# Altium PCB UVM AERO BSPD.PcbDoc (part 1 of 2) (continued)
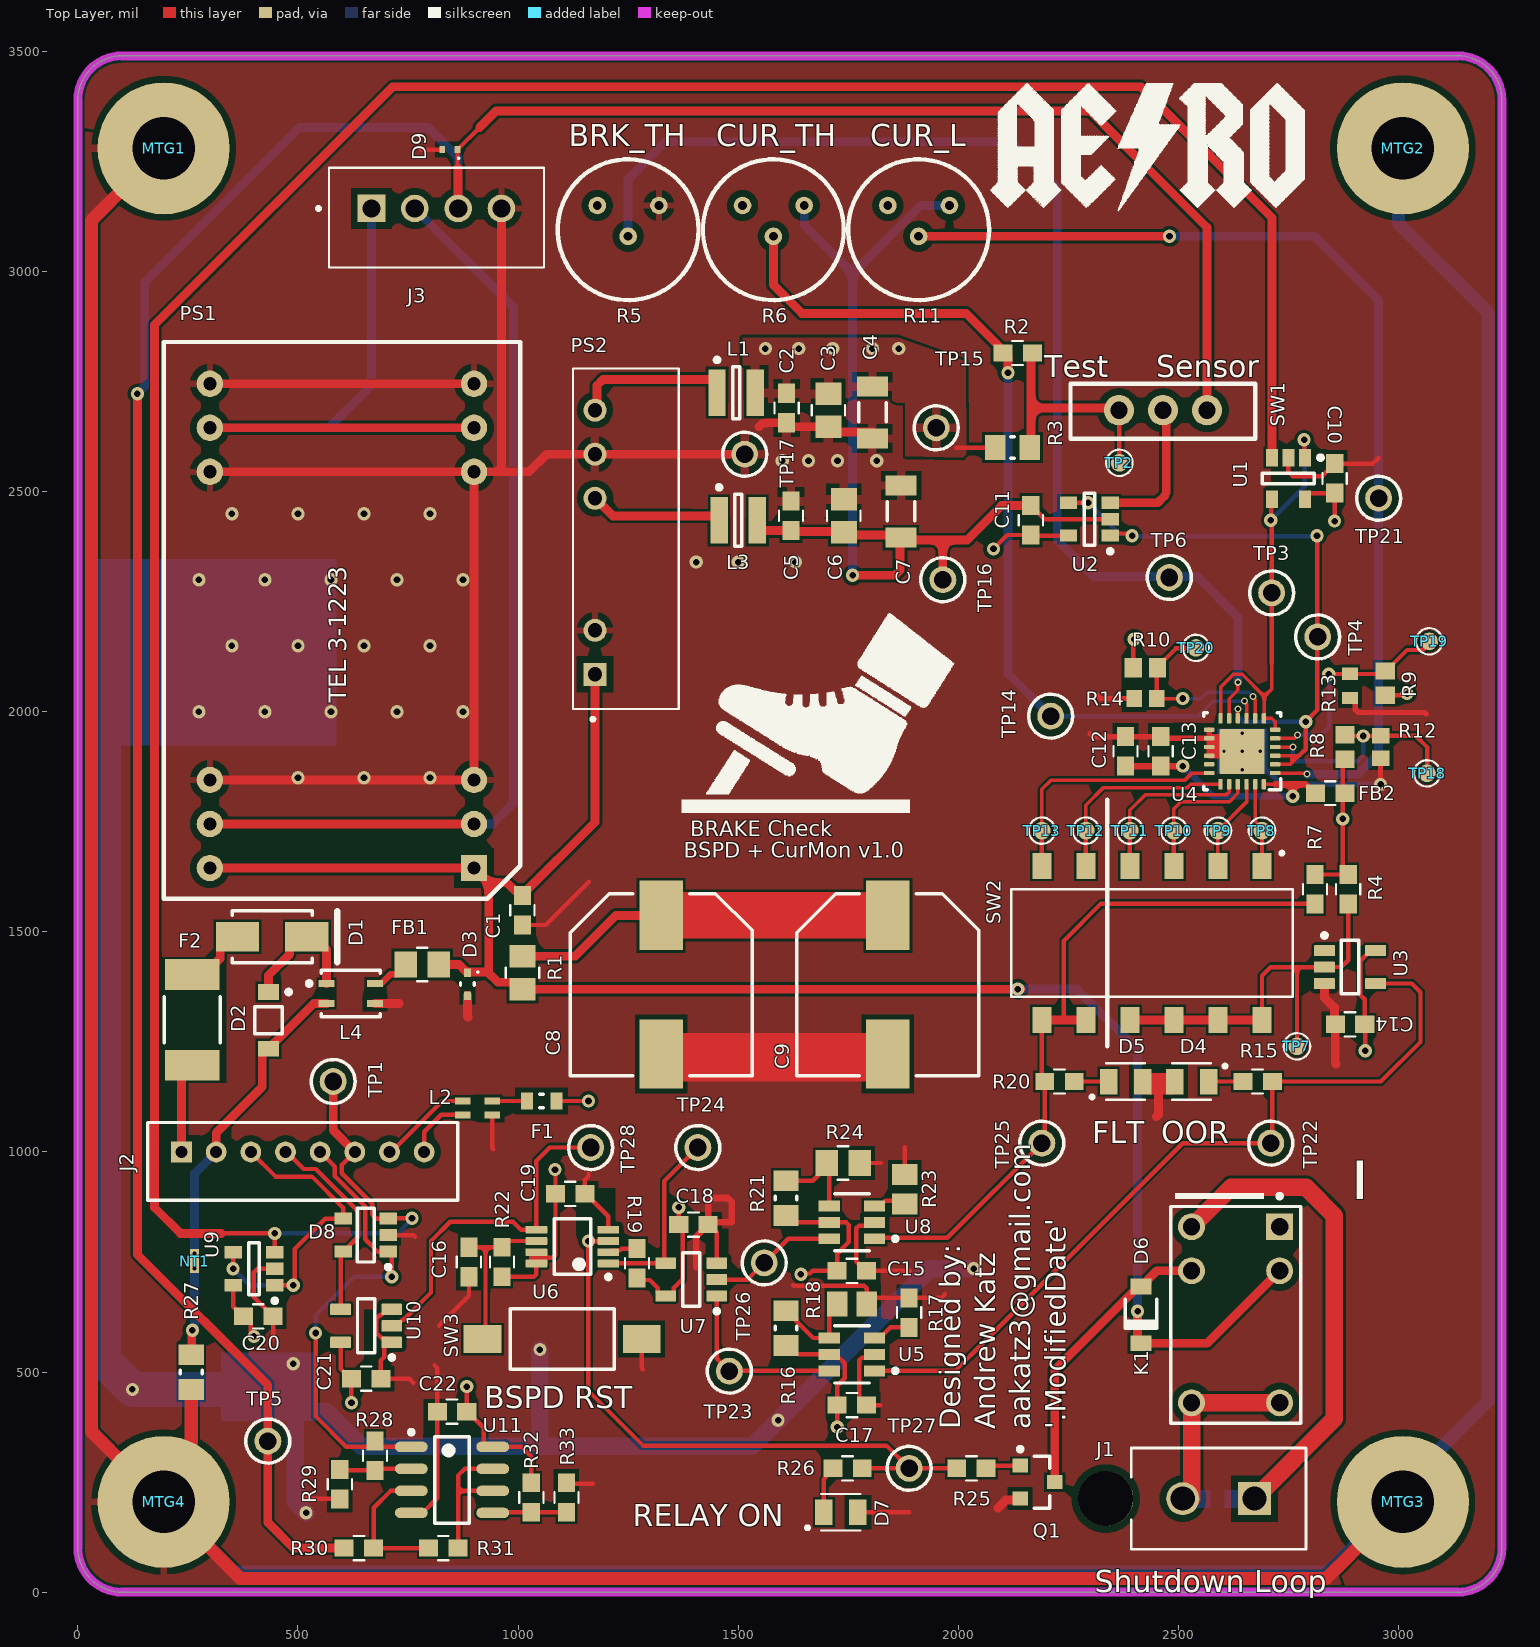
[diagram p0: Top Layer view]
## Components (designator, comment, footprint, x,y, rotation, side; value= is the part's Value field where it differs from the comment) (continued)
TP22 "5119" KSTN-5119 2710,1020 r0 top
TP23 "5118" KSTN-5118 1480,502.17 r0 top
TP24 "5003" KSTN-5003 1408.46,1010 r0 top
TP25 "5119" KSTN-5119 2190,1020 r0 top
TP26 "5118" KSTN-5118 1559.25,748 r0 top
TP27 "5117" KSTN-5117 1888.5,281.3 r0 top
TP28 "5117" KSTN-5117 1164.8,1010 r0 top
U1 "NCS2003SN2T1G" ONSC-TSOP-5-483-02_V 2750,2530 r270 top
U2 "NCS2003SN2T1G" ONSC-TSOP-5-483-02_V 2297.76,2437.4 r180 top
U3 "SN74LVC1G04DBVR" DBV0005A_M 2890,1420 r0 top
U4 "LMV7231SQE/NOPB" RTW0024A_V 2645,1910 r180 top
U5 "LTC6994CS6-1#TRMPBF" Linear_Technologies_LTC6994CS6-1#TRMPBF_0 1758.46,540 r180 top value=SKIP
U6 "SN74LVC2G74DCTR" DCT0008A_M 1123.46,785 r180 top
U7 "SN74AHCT1G32DBVR" DBV0005A_M 1393.46,710 r180 top
U8 "LTC6994CS6-1#TRMPBF" Linear_Technologies_LTC6994CS6-1#TRMPBF_0 1758.46,840 r180 top value=SKIP
U9 "NCS2003SN2T1G" ONSC-TSOP-5-483-02_V 400,734.72 r180 top
U10 "SN74LV1T125DBVR" DBV0005A_M 655,605 r180 top
U11 "MCP6002T-I/SN" SOIC-SN8_L 850,255 r0 top

## Footprints (in the part's own frame and the unit in brackets; to place one, negate y for a bottom-side part, rotate by r counter-clockwise, add the part's x,y. Pads: shape width x height; smd on the part's side, far side on the other; paste and mask are expansions set on the pad)
20MIL_TIE [mil]
  rect 20x20 hole 9 paste-100 mask-100: 1(0,0)
  rect 40x20 hole 9 copper offset -10,0 paste-100 mask-100: 2(35,0)
0603 [mil] "Body 1.6 x 0.8 mm (LxW typ)"
  rect 43x39 smd: 1(-33.5,0) 2(33.5,0)
  silkscreen extent -12,-27 12,27, body extent -34,-19 34,19, height 38
0603_CAP [mm]
  rect 1.1x1 smd: 1(-0.85,0) 2(0.85,0)
  silkscreen extent -0.3,-0.7 0.3,0.7, body extent -0.8,-0.43 0.8,0.43, height 0.95
0603_RES [mil]
  rect 43x39 smd: 1(-33.46,0) 2(33.46,0)
  silkscreen extent -12,-28 12,28, body extent -32,-19 32,19, height 34
0805 [mm] "Body 2.0 x 1.2 mm (LxW typ)"
  rect 1.3x1.5 smd: 1(-0.95,0) 2(0.95,0)
  silkscreen extent -0.3,-0.97 0.3,0.97, body extent -1.15,-0.72 1.15,0.72, height 1.1
0805_CAP [mm]
  rect 1.3x1.5 smd: 1(-0.95,0) 2(0.95,0)
  silkscreen extent -0.3,-0.97 0.3,0.97, body extent -1,-0.65 1,0.66, height 1.52
0805_RES [mm]
  rect 1.3x1.5 smd: 1(-0.95,0) 2(0.95,0)
  silkscreen extent -0.3,-0.97 0.3,0.97, body extent -1.09,-0.7 1.09,0.7, height 1.1
3339H-1-103LF [mil]
  round 40 hole 20 paste-10000: 1(0,0) 2(70,-70) 3(140,0)
  silkscreen extent -90,-215 230,105, body extent -80,-205 220,95, height 251
*SW_DS04-254-2-06BK-SMT-TR [mm]
  rect 1.5x1.1 smd: 1(-4.45,6.35) 2(-4.45,3.81) 3(-4.45,1.27) 4(-4.45,-1.27) 5(-4.45,-3.81) 6(-4.45,-6.35) 7(4.45,-6.35) 8(4.45,-3.81) 9(4.45,-1.27) 10(4.45,1.27) 11(4.45,3.81) 12(4.45,6.35)
  silkscreen extent -5.28,-8.12 3.1,8.12, body extent -4.95,-8.12 4.95,8.12, height 3.96
B4B-XH-A(LF)(SN) [mm]
  rect 1.59x1.59 hole 1.06 paste-25.4: 1(0,0)
  round 1.59 hole 1.06 paste-25.4: 2(2.5,0) 3(5,0) 4(7.5,0)
  silkscreen extent -3.16,-3.4 9.95,2.35, body extent -2.45,-3.4 9.95,2.35, height 7
B8B-PH-K [mm]
  rect 1.2x1.2 hole 0.7 paste-1000: 1(7,-0.55)
  round 1.2 hole 0.7 paste-1000: 2(5,-0.55) 3(3,-0.55) 4(1,-0.55) 5(-1,-0.55) 6(-3,-0.55) 7(-5,-0.55) 8(-7,-0.55)
  silkscreen extent -8.95,-2.25 8.95,2.25, body extent -8.95,-2.25 8.95,2.25, height 6
CAPC1206(3216)190_N [mm] "Chip Capacitor, Body 3.2x1.6mm, Height 1.9mm, IPC Medium Density"
  rect 1.15x1.8 smd: 1(-1.5,0) 2(1.5,0)
  silkscreen extent -0.55,-0.8 0.55,0.8, body extent -1.7,-0.9 1.7,0.9, height 1.9
CL-SA-12C-02 [mm]
  round 1.75 hole 1 paste-2.54: 1(-2.54,0) 2(0,0) 3(2.54,0)
  silkscreen extent -5.33,-1.65 5.33,1.52, body extent -5,-1.27 5,1.27, height 6.4
CON2_1X2_P163_VM_ALT [mil]
  rect 75x75 hole 55: 1(0,0)
  round 75 hole 55: 2(162.99,0)
  round 125 hole 125 unplated mask+4: 3(338,0)
  Bottom Layer region: 142.63,21 99.63,21 99.63,-20 142.63,-20
  Bottom Layer region: 68.63,21 33.63,21 33.63,-20 68.63,-20
  silkscreen extent -117,-115 280,115, body extent -159,-140 380,110, height 566
DBV0005A_M [mm] "SOT23, 5-Leads, Body 3.05x1.75mm, Pitch 0.95mm, IPC Low Density"
  rrect15% 1.2x0.65 smd: 1(-1.475,0.95) 2(-1.475,0) 3(-1.475,-0.95) 4(1.475,-0.95) 5(1.475,0.95)
  silkscreen extent -1.6,-1.55 0.5,1.95, body extent -1.42,-1.46 1.42,1.46, height 1.08
DCT0008A_M [mm] "SOP, 8-Leads, Body 2.9x3.2mm, Pitch 0.65mm, IPC Low Density"
  rrect22% 1.25x0.45 smd: 1(-2.075,0.975) 2(-2.075,0.325) 3(-2.075,-0.325) 4(-2.075,-0.975) 5(2.075,-0.975) 6(2.075,-0.325) 7(2.075,0.325) 8(2.075,0.975)
  silkscreen extent -2.2,-1.6 1.05,1.87, body extent -2.01,-1.47 2.01,1.48, height 1.3
DIOD-SMA-2_V [mm] "Molded Diode, 2-Leads, Body 4.6x2.92mm"
  rect 2.5x1.7 smd: 1(-2,0) 2(2,0)
  silkscreen extent -2.3,-1.5 3.75,1.5, body extent -2.52,-1.46 2.52,1.46, height 2.4
DIOD-SOT23-3_V [mm] "SOT23, 3-Leads, Body 3x1.4mm, Pitch 0.95mm"
  rect 0.9x0.8 smd: 1(-1,0.95) 2(-1,-0.95) 3(1,0)
  silkscreen extent -1.12,-1.5 0.7,2.02, body extent -1.25,-1.5 1.25,1.5, height 1.1
KSTN-5000 [mm] "Test Point, Through Hole, Dia 2.54mm"
  round 1.55 hole 1.016: 1(0,0)
  silkscreen extent -1.27,-1.27 1.27,1.27, body extent -1.25,-1.25 1.25,1.25, height 4.62
KSTN-5001 [mm] "Test Point, Through Hole, Dia 2.54mm"
  round 1.55 hole 1.016: 1(0,0)
  silkscreen extent -1.27,-1.27 1.27,1.27, body extent -1.25,-1.25 1.25,1.25, height 4.62
KSTN-5002 [mm] "Test Point, Through Hole, Dia 2.54mm"
  round 1.55 hole 1.016: 1(0,0)
  silkscreen extent -1.27,-1.27 1.27,1.27, body extent -1.24,-1.24 1.25,1.25, height 4.62
KSTN-5003 [mm] "Test Point, Through Hole, Dia 2.54mm"
  round 1.55 hole 1.016: 1(0,0)
  silkscreen extent -1.27,-1.27 1.27,1.27, body extent -1.25,-1.25 1.25,1.25, height 4.62
KSTN-5004 [mm] "Test Point, Through Hole, Dia 2.54mm"
  round 1.55 hole 1.016: 1(0,0)
  silkscreen extent -1.27,-1.27 1.27,1.27, body extent -1.25,-1.25 1.25,1.25, height 4.62
KSTN-5115 [mm] "Test Point, Through Hole, Dia 2.54mm"
  round 1.55 hole 1.016: 1(0,0)
  silkscreen extent -1.27,-1.27 1.27,1.27, body extent -1.25,-1.25 1.25,1.25, height 4.62
KSTN-5116 [mm] "Test Point, Through Hole, Dia 2.54mm"
  round 1.55 hole 1.016: 1(0,0)
  silkscreen extent -1.27,-1.27 1.27,1.27, body extent -1.25,-1.25 1.25,1.25, height 4.62
KSTN-5117 [mm] "Test Point, Through Hole, Dia 2.54mm"
  round 1.55 hole 1.016: 1(0,0)
  silkscreen extent -1.27,-1.27 1.27,1.27, body extent -1.25,-1.25 1.25,1.25, height 4.62
KSTN-5118 [mm] "Test Point, Through Hole, Dia 2.54mm"
  round 1.55 hole 1.016: 1(0,0)
  silkscreen extent -1.27,-1.27 1.27,1.27, body extent -1.25,-1.25 1.25,1.25, height 4.62
KSTN-5119 [mm] "Test Point, Through Hole, Dia 2.54mm"
  round 1.55 hole 1.016: 1(0,0)
  silkscreen extent -1.27,-1.27 1.27,1.27, body extent -1.25,-1.25 1.25,1.25, height 4.62
LEDC2012X135N_SM0805GCL(Primary) [mm]
  rect 1.01x1.47 smd: A(-0.98,0) C(0.98,0)
  silkscreen extent -2.03,-1.05 1.13,1.05, body extent -1,-0.62 1,0.62, height 1.12
LEDC2012X135N_SM0805HCL(Primary) [mm]
  rect 1.01x1.47 smd: A(-0.98,0) C(0.98,0)
  silkscreen extent -2.03,-1.05 1.13,1.05, body extent -1,-0.62 1,0.62, height 1.12
LFUS-1812L05030PR [mm] "SMD, 2-Leads, Body 4.55x3.24mm"
  rect 1.78x3.15 smd: 1(-2.615,0) 2(2.615,0)
  silkscreen extent -1.33,-1.62 1.33,1.62, body extent -2.27,-1.62 2.28,1.62, height 1.25
Linear_Technologies_LTC6994CS6-1#TRMPBF_0 [mm]
  rect 1.22x0.62 smd: 1(-1.31,0.95) 2(-1.31,0) 3(-1.31,-0.95) 4(1.31,-0.95) 5(1.31,0) 6(1.31,0.95)
  silkscreen extent -2.63,-1.65 1,1.65, body extent -1.41,-1.44 1.41,1.46, height 0.96
MCC-SOD123_V [mil] "SOD123, 2-Leads, Body 2.7x1.6mm, Height 1.35mm"
  rect 35.98x47.99 smd: 1(-64.5,0) 2(64.5,0)
  silkscreen extent -36,-35 31,35, body extent -53,-31 53,31, height 53
MF-FSMF [mm] "MF-FSMF Series - PTC Resettable Fuse"
  rect 0.7x1 smd: 1(-0.85,0) 2(0.85,0)
  Top Layer pour cut-out: -1.55,0.8 1.55,0.8 1.55,-0.8 -1.55,-0.8
  Bottom Layer pour cut-out: -1.55,0.8 1.55,0.8 1.55,-0.8 -1.55,-0.8
  silkscreen extent -0.1,-0.4 0.1,0.4, body extent -0.82,-0.42 0.83,0.43, height 0.48
MTG-M3 [mil]
  round 300 hole 142: 1(0,0)
NIC-CAPA2-10X10_V [mm] "Aluminum Electrolytic Capacitor, Diameter 10mm, Height 10.8mm, Pitch 8mm"
  rect 4x2.5 smd: 1(-4,0) 2(4,0)
  silkscreen extent -5.25,-5.25 5.25,5.25, body extent -5.45,-5.15 5.45,5.15, height 9.95
NMV0505SC [mm]
  rect 1.328x1.328 hole 0.82: 1(0,0)
  round 1.328 hole 0.82: 2(2.54,0) 5(10.16,0) 6(12.7,0) 7(15.24,0)
  silkscreen extent -2.69,-4.83 17.65,1.27, body extent -1.88,-4.77 17.62,1.25, height 10.04
Omron_G5V-1-DC12_MFG [mm]
  rect 1.55x1.55 hole 1: 1(-5.08,2.54)
  round 1.55 hole 1: 2(-2.54,2.54) 5(5.08,2.54) 6(5.08,-2.54) 9(-2.54,-2.54) 10(-5.08,-2.54)
  silkscreen extent -7.04,-3.75 6.25,3.75, body extent -6.15,-3.65 6.15,3.65, height 10
ONSC-SOD-123-2-425-04_V [mm] "SOD, 2-Leads, Body 2.69x1.6mm"
  rect 0.91x1.22 smd: 1(-1.635,0) 2(1.635,0)
  silkscreen extent -1.76,-0.8 0.78,1.29, body extent -1.35,-0.8 1.35,0.8, height 1.35
ONSC-SOD-523-2-502-01_V [mm] "SOD, 2-Leads, Body 1.2x0.8mm"
  rect 0.48x0.4 smd: 1(-0.66,0) 2(0.66,0)
  silkscreen extent -0.75,-0.4 0.07,0.65, body extent -0.8,-0.45 0.8,0.45, height 0.7
ONSC-TSOP-5-483-02_V [mm] "SOP, 5-Leads, Body 3x1.5mm, Pitch 0.95mm"
  rect 1x0.7 smd: 1(-1.2,0.95) 2(-1.2,0) 3(-1.2,-0.95) 4(1.2,-0.95) 5(1.2,0.95)
  silkscreen extent -1.32,-1.5 0.3,1.98, body extent -0.75,-1.5 0.75,1.5, height 1.1
RESC1608X50X30ML20T20 [mm] "Chip Resistor, 2-Leads, Body 1.60x0.80mm, IPC Low Density"
  rect 1x1.1 smd: 1(-0.7,0) 2(0.7,0)
  body extent -0.9,-0.5 0.9,0.5, height 0.5
RESC1608X50X30NL20T20 [mm] "Chip Resistor, 2-Leads, Body 1.60x0.80mm, IPC Medium Density"
  rect 0.9x1 smd: 1(-0.65,0) 2(0.65,0)
  body extent -0.9,-0.5 0.9,0.5, height 0.5
RESC1608X55X25NL10T15 [mm] "Chip Resistor, 2-Leads, Body 1.60x0.80mm, IPC Medium Density"
  rect 0.7x0.9 smd: 1(-0.7,0) 2(0.7,0)
  body extent -0.85,-0.45 0.85,0.45, height 0.55
RESC2013X60X35ML10T20 [mm] "Chip Resistor, 2-Leads, Body 2.00x1.25mm, IPC Low Density"
  rect 1.2x1.45 smd: 1(-1,0) 2(1,0)
  silkscreen extent -0.1,-0.63 0.1,0.63, body extent -1.05,-0.67 1.05,0.67, height 0.6
RESC2013X60X40NL20T25 [mm] "Chip Resistor, 2-Leads, Body 2.00x1.25mm, IPC Medium Density"
  rect 1.2x1.45 smd: 1(-0.85,0) 2(0.85,0)
  body extent -1.1,-0.72 1.1,0.72, height 0.6
RTW0024A_V [mm] "QFN, 24-Leads, Body 4x4mm, Pitch 0.5mm, Thermal Pad 2.6x2.6mm, TI Recommended"
  rrect40% 0.6x0.25 smd: 1(-1.9,1.25) 2(-1.9,0.75) 3(-1.9,0.25) 4(-1.9,-0.25) 5(-1.9,-0.75) 6(-1.9,-1.25) 13(1.9,-1.25) 14(1.9,-0.75) 15(1.9,-0.25) 16(1.9,0.25) 17(1.9,0.75) 18(1.9,1.25)
  rrect40% 0.25x0.6 smd: 7(-1.25,-1.9) 8(-0.75,-1.9) 9(-0.25,-1.9) 10(0.25,-1.9) 11(0.75,-1.9) 12(1.25,-1.9) 19(1.25,1.9) 20(0.75,1.9) 21(0.25,1.9) 22(-0.25,1.9) 23(-0.75,1.9) 24(-1.25,1.9)
  rrect4% 2.6x2.6 smd paste-1.3: 25(0,0)
  silkscreen extent -2.22,-2.22 2.22,2.22, body extent -2,-2 2,2, height 0.8
SOD923 [mm] "SOD923 - 1-AH1A"
  rect 0.325x0.4 smd: 1(-0.437,0) 2(0.437,0)
  silkscreen extent -0.55,0.45 -0.45,0.55, body extent -0.5,-0.33 0.5,0.33, height 0.45
SOIC-SN8_L [mm] "SOIC, 8-Leads, Body 4.9x3.9mm, Pitch 1.27mm, IPC High Density"
  oval 1.9x0.6 smd: 1(-2.35,1.905) 2(-2.35,0.635) 3(-2.35,-0.635) 4(-2.35,-1.905) 5(2.35,-1.905) 6(2.35,-0.635) 7(2.35,0.635) 8(2.35,1.905)
  silkscreen extent -2.47,-2.5 1,2.88, body extent -2,-2.5 2,2.5, height 1.75
SOT23127P600-8N [mm] "JEDEC MO-178"
  rect 0.99x0.69 smd: 1(-1.295,0.95) 2(-1.295,0) 3(-1.295,-0.95) 4(1.295,-0.95) 5(1.295,0.95)
  silkscreen extent -1.42,-1.55 0.5,1.97, body extent -0.88,-1.52 0.87,1.53, height 1.45
SRN3015-2_V [mm] "SMD, 2-Leads, Body 3x3mm, Height 1.5mm"
  rect 1x2.7 smd: 1(-1.1,0) 2(1.1,0)
  silkscreen extent -1.22,-1.5 0.2,2.02, body extent -1.5,-1.5 1.5,1.5, height 1.5
TDK-ACP3225-102-2P-T000-4_V [mm] "SMD, 4-Leads, Body 3.4x2.7mm"
  rect 0.9x0.4 smd: 1(-1.4,0.575) 2(-1.4,-0.575) 3(1.4,-0.575) 4(1.4,0.575)
  silkscreen extent -2.52,-1.35 1.7,1.35, body extent -1.6,-1.26 1.6,1.24, height 1.92
TECO-FSMSMTR_V [mm] "SMD, 2-Leads, Body 6x3.5mm, Pitch 9.19mm"
  rect 2.2x1.6 smd: 1(-4.595,0)
  rect 2.18x1.6 smd: 2(4.595,0)
  silkscreen extent -3,-1.75 3,1.75, body extent -4.98,-1.75 4.98,1.75, height 4.4
"TEL 3-1223" [mil]
  rect 60x60 hole 30: 1(0,-600)
  round 60 hole 30: 2(100,-600) 3(200,-600) 10(900,-600) 11(1000,-600) 12(1100,-600) 13(1100,0) 14(1000,0) 15(900,0) 22(200,0) 23(100,0) 24(0,0)
  silkscreen extent -70,-705 1195,105, body extent -60,-697 1188,98, height 402
TP_40mil [mil]
  round 40 smd paste-100: 1(0,0)
  silkscreen extent -30,-30 30,30
WE-CNSW-0805 [mm] "SMD Inductor, 4-Leads, Body 1.4 x 2.2 mm"
  rect 0.9x0.4 smd: 1(-0.85,0.4) 2(0.85,0.4) 3(0.85,-0.4) 4(-0.85,-0.4)
  body extent -1,-0.6 1,0.6, height 1.18

## Part data
C1 C13 C15 C17: "Capacitor Surface Mount 0603 Footprint 10UF 25V 20% Tolerance Ceramic X5R", Manufacturer=Various, PCB Package=0603, Tolerance=20%, Voltage=25V, ComponentLink1Description="Manufacturer Website", ComponentLink2Description="Component Datasheet", ComponentLink3Description="Octopart Link", Description in Visual="Cap SMT 0603 10UF 25V 20% Ceramic X5R", Manufacturer P/N=Various, P/N="CAP 0603 10UF 25V 20% X5R", Type="Ceramic X5R", Val=10UF, Vol=25V
C2 C5: "Capacitor Surface Mount 0603 Footprint 1UF 50V 10% Tolerance Ceramic X7R", Manufacturer=Various, PCB Package=0603, Tolerance=10%, Voltage=50V, ComponentLink1Description="Manufacturer Website", ComponentLink2Description="Component Datasheet", ComponentLink3Description="Octopart Link", Description in Visual="Cap SMT 0603 1UF 50V 10% Ceramic X7R", Manufacturer P/N=Various, P/N="CAP 0603 1UF 50V 10% X7R", Type="Ceramic X7R", Val=1UF, Vol=50V
C3 C6: "Capacitor Surface Mount 0805 Footprint 4.7UF 35V 10% Tolerance Ceramic X7R", Manufacturer=Various, PCB Package=0805, Tolerance=10%, Voltage=35V, ComponentLink1Description="Manufacturer Website", ComponentLink2Description="Component Datasheet", ComponentLink3Description="Octopart Link", Description in Visual="Cap SMT 0805 4.7UF 35V 10%  Cer X7R", Manufacturer P/N=Various, P/N="CAP 0805 4.7UF 35V 10% X7R", Type="Ceramic X7R", Val=4.7UF, Vol=35V
C4 C7: library part CMP-1037-05002-1, "CAP 47uF 10V ±20% 1206 (3216 Metric) Thickness 1.9mm SMD", Case-EIA=1206, Case-Metric=3216, Rated Voltage="10 V", Tolerance=Â±20%, Max Thickness="1.9 mm", Technology=SMT
C8 C9: "Aluminum Electrolytic Capacitor, UD Series, Low Impedance, 330 uF, 35 V, + / - 20%, -55 to 105 degC, Chip Type, 10 x 10 mm D x L, Pb-Free, Reel", Manufacturer=Nichicon, Rated Capacitance="330 uF", Rated Ripple Current (at 100kHz)="670 mA", Rated Voltage="35 V", Supplier Part Number 1=493-2293-1-ND, Tolerance Rated Capacitance="-20 to 20%", ComponentLink1Description="Manufacturer URL", ComponentLink1URL=http://www.nichicon.co.jp/, ComponentLink2Description=Datasheet, ComponentLink2URL=http://products.nichicon.co.jp/en/pdf/XJA043/e-ud.pdf, ComponentLink3Description="Package Specification", ComponentLink3URL=http://products.nichicon.co.jp/en/pdf/XJA043/e-ud.pdf, DatasheetVersion=08/2012, Diameter="10 mm", Endurance Time="5000 h", Impedance="0.09 Ohm", Length="10 mm", Manufacturer 1=Nichicon, Manufacturer Part Number 1=UUD1V331MNL1GS, Mounting Technology="Surface Mount", PackageDescription="2-Pin Surface Mount Device, Diameter 10 mm, Height 10 mm, Pitch 8 mm", PackageReference=CAPAE-D10H10, Packing="Dia382mm Reel", PartNumber=UUD1V331MNL1GS, RoHS=TRUE, Supplier 1=Digi-Key
C10 C11 C12 C14 C18 C19 C20 C21 C22: "Capacitor Surface Mount 0603 Footprint 0.1UF 16V 10% Tolerance Ceramic X7R", Manufacturer=Various, PCB Package=0603, Tolerance=10%, Voltage=16V, ComponentLink1Description="Manufacturer Website", ComponentLink2Description="Component Datasheet", ComponentLink3Description="Octopart Link", Description in Visual="Cap SMT 0603 0.1UF 16V 10%  Cer X7R", Manufacturer P/N=Various, P/N="CAP 0603 0.1UF 16V 10% X7R", Type="Ceramic X7R", Val=0.1UF, Vol=16V
C16: "Capacitor Surface Mount 0603 Footprint 1PF 50V 0.05PF Tolerance MLO", Manufacturer=Various, PCB Package=0603, Tolerance=0.05PF, Voltage=50V, ComponentLink1Description="Manufacturer Website", ComponentLink2Description="Component Datasheet", ComponentLink3Description="Octopart Link", Description in Visual="Cap SMT 0603 1PF 50V 0.05PF  MLO", Manufacturer P/N=Various, P/N="CAP 0603 1PF 50V 0.05PF MLO", Type=MLO, Val=1PF, Vol=50V
D1: library part CMP-1667-00003-1, "Surface Mount Schottky Barrier Rectifier, 40 V, 3 A, -55 to 150 degC, 2-Pin SMA, RoHS, Tape and Reel", Case\Package=SMA, Forward Current="3 A", Forward Voltage="500 mV", Max Operating Temperature="125 degC", Max Surge Current="80 A", Min Operating Temperature="-55 degC", Package Quantity=5000, Peak Reverse Current="500 uA", ComponentLink1Description="Manufacturer URL", ComponentLink1URL=http://www.diodes.com/, ComponentLink2Description=Datasheet, ComponentLink2URL=http://www.diodes.com/_files/datasheets/ds30891.pdf, DatasheetVersion="Rev. 17 - 2, 09/2015", Elements=1, Height="2.1 mm", Length="4.6 mm", Mount="Surface Mount", Mounting Technology="Surface Mount", PackageDescription="2-Pin Surface Mounted Assembly, Body 4.3 x 2.605 mm, Height 2.4 mm", PackageReference=SMA-2, Packaging="Tape and Reel", Pins=2, Radiation Hardening=No, REACH SVHC="No SVHC", RoHSCompliant=true, Width="2.92 mm"
D2: library part CMP-1060-00481-1, "Zener Voltage Regulator, 500 mW, 2-Pin SOD-123, Pb-Free, Tape and Reel", Manufacturer="On Semiconductor", ComponentLink1Description="Manufacturer URL", ComponentLink1URL=http://www.onsemi.com/, ComponentLink2Description=Datasheet, ComponentLink2URL=http://www.onsemi.cn/pub_link/Collateral/MMSZ5221BT1-D.PDF, ComponentLink3Description="Package Specification", ComponentLink3URL=http://www.onsemi.com/pub_link/Collateral/425-04.PDF, DatasheetVersion="Rev. 12", Mounting Technology="Surface Mount", P Max (W)=0.5, PackageDescription="2-Pin SOD, Body 1.6 x 2.69 mm", PackageReference=SOD-123-2-425-04, PackageVersion="Rev. G, 10/2009", Packing="Tape and Reel", PartNumber=SZMMSZ5243BT1G, RoHS=Pb-Free, VZ Typ (V)=13
D3: "Transient Voltage Suppressor, Micro-Packaged Diode for ESD Protection, 2-Pin SOD-523, Pb-Free, Tape and Reel", Manufacturer="On Semiconductor", Manufacturer 1="ON Semiconductor", Supplier Part Number 1=ESD5Z12T1GOSCT-ND, ComponentLink1Description="Manufacturer URL", ComponentLink1URL=http://www.onsemi.com/, ComponentLink2Description=Datasheet, ComponentLink2URL=http://www.onsemi.cn/pub_link/Collateral/ESD5Z2.5T1-D.PDF, ComponentLink3Description="Package Specification", ComponentLink3URL=http://www.onsemi.com/pub_link/Collateral/502-01.PDF, DatasheetVersion="Rev. 10", Direction=Unidirectional, IR Max (uA)=0.01, Manufacturer Part Number 1=ESD5Z12T1G, Mounting Technology="Surface Mount", Number of Lines=1, PackageDescription="2-Pin SOD, Body 1.2 x 0.8 mm", PackageReference=SOD-523-2-502-01, PackageVersion="Rev. E, 09/2010", Packing="Tape and Reel", PartNumber=ESD5Z12T1G, PPK Max (W)=240, RoHS=Pb-Free, Supplier 1=Digi-Key, V(BR) Min (V)=14.1, VRWM Max (V)=12
D4 D5: "Red 631nm LED Indication - Discrete 1.9V 0805 (2012 Metric)", Supplier Part Number 1=492-2281-1-ND, Supplier 1=Digi-Key
D6: library part CMP-2000-04993-1, "High Speed Switching Diode, 400 mW, 150 mA, -65 to 150 degC, 2-Pin SOD123, RoHS, Tape and Reel", Average Forward Current-Max=0.15A, Manufacturer="Micro Commercial Components", Package Description="2-Pin Small Outline Diode, Body 2.7 x 1.6 mm, Height 1.35 mm", Package Reference=SOD123, Peak Current-Max=2A, Power Dissipation=400mW, Reverse Voltage-Max [Vrrm]=100V, Datasheet URL=https://datasheet.ciiva.com/16836/1n4148wsod123-16836277.pdf, Datasheet Version="Rev. C, 07/2014", Manufacturer URL=http://www.mccsemi.com/, Package URL=http://www.mccsemi.com/up_pdf/1N4448W(SOD-123).pdf, Reverse Recovery Time-Max=4ns
D7: "Green 574nm LED Indication - Discrete 1.9V 0805 (2012 Metric)", Supplier Part Number 1=492-2525-1-ND, Supplier 1=Digi-Key
D8: "8.5V Clamp  Ipp Tvs Diode Surface Mount SOT-23-5 5.5V", Breakdown Voltage=5.5V, Capacitance=30pF, Case/Package=SOT-23, Clamping Voltage=8.5V, Leakage Current=100nA, Manufacturer=Littelfuse, Max Operating Temperature=85°C, Max Power Dissipation=225mW, Min Operating Temperature=-40°C, Power Line Protection=No, Supplier Part Number 1=F3157CT-ND, Voltage Rating (DC)=5V, Category="TVS Diodes", Composition=Zener, Depth=1.75mm, Diode Type=Avalanche, Direction=Unidirectional, Element Configuration="Common Anode", ESD Protection=Yes, Height=1.3mm, Lead Free="Lead Free", Length=3.05mm, Manufacturer Part Number=SP0504BAHTG, Max Reverse Leakage Current=100nA, Mount="Surface Mount", Number of Channels=4, Number of Elements=4, Number of Pins=5, Number of Unidirectional Channels=4, Packaging="Tape and Reel", Peak Pulse Power=225mW, Polarity=Bidirectional,Unidirectional, Power Dissipation=225mW, Radiation Hardening=No, REACH SVHC=Unknown, Reverse Standoff Voltage=5.5V, Supplier 1=Digi-Key, Termination=SMD/SMT, Width=1.75mm, Working Voltage=5.5V
D9: "7V (Typ) Clamp 1A (8/20µs) Ipp Tvs Diode Surface Mount fSC (SOD-923)", Supplier Part Number 1=DF2B6.8AFSL3MCT-ND, Supplier 1=Digi-Key
F1: "Polymeric PTC Resettable Fuse 15V 100mA Ih Surface Mount 0603 (1608 Metric), Concave", Supplier Part Number 1=MF-FSMF010X-2CT-ND, Supplier 1=Digi-Key
F2: "PTC Resettable Fuse, 0.8 W, 30 V, -40 to 85 degC, 2-Pin SMD, RoHS, Tape and Reel", Current - Hold (Ih) (Max)=500mA, Current - Max=100A, Current - Trip (It)=1A, Manufacturer=Littelfuse-Inc., Manufacturer 1=Littelfuse, Package / Case=1812(4532Metric),Concave, Package Description="2-Pin Surface Mount Device, Body 4.55 x 3.24 mm", Package Reference=1812, Voltage - Max=30V, Category=CircuitProtection, Datasheet URL=http://www.littelfuse.com/~/media/electronics/datasheets/resettable_ptcs/littelfuse_ptc_1812l_datasheet.pdf.pdf, Datasheet Version=02/2016, Family=PTCResettableFuses, Manufacturer Part Number 1=1812L050/30PR, Manufacturer URL=http://www.littelfuse.com/, Mounting Technology=SurfaceMount, Packaging=Tape&Reel(TR), R Min/Max=0.150~1.000Ohm, Series=POLY-FUSE®,1812L, Time to Trip=0.15s